# Allegro board 8880F5-0820_5.brd (continued)
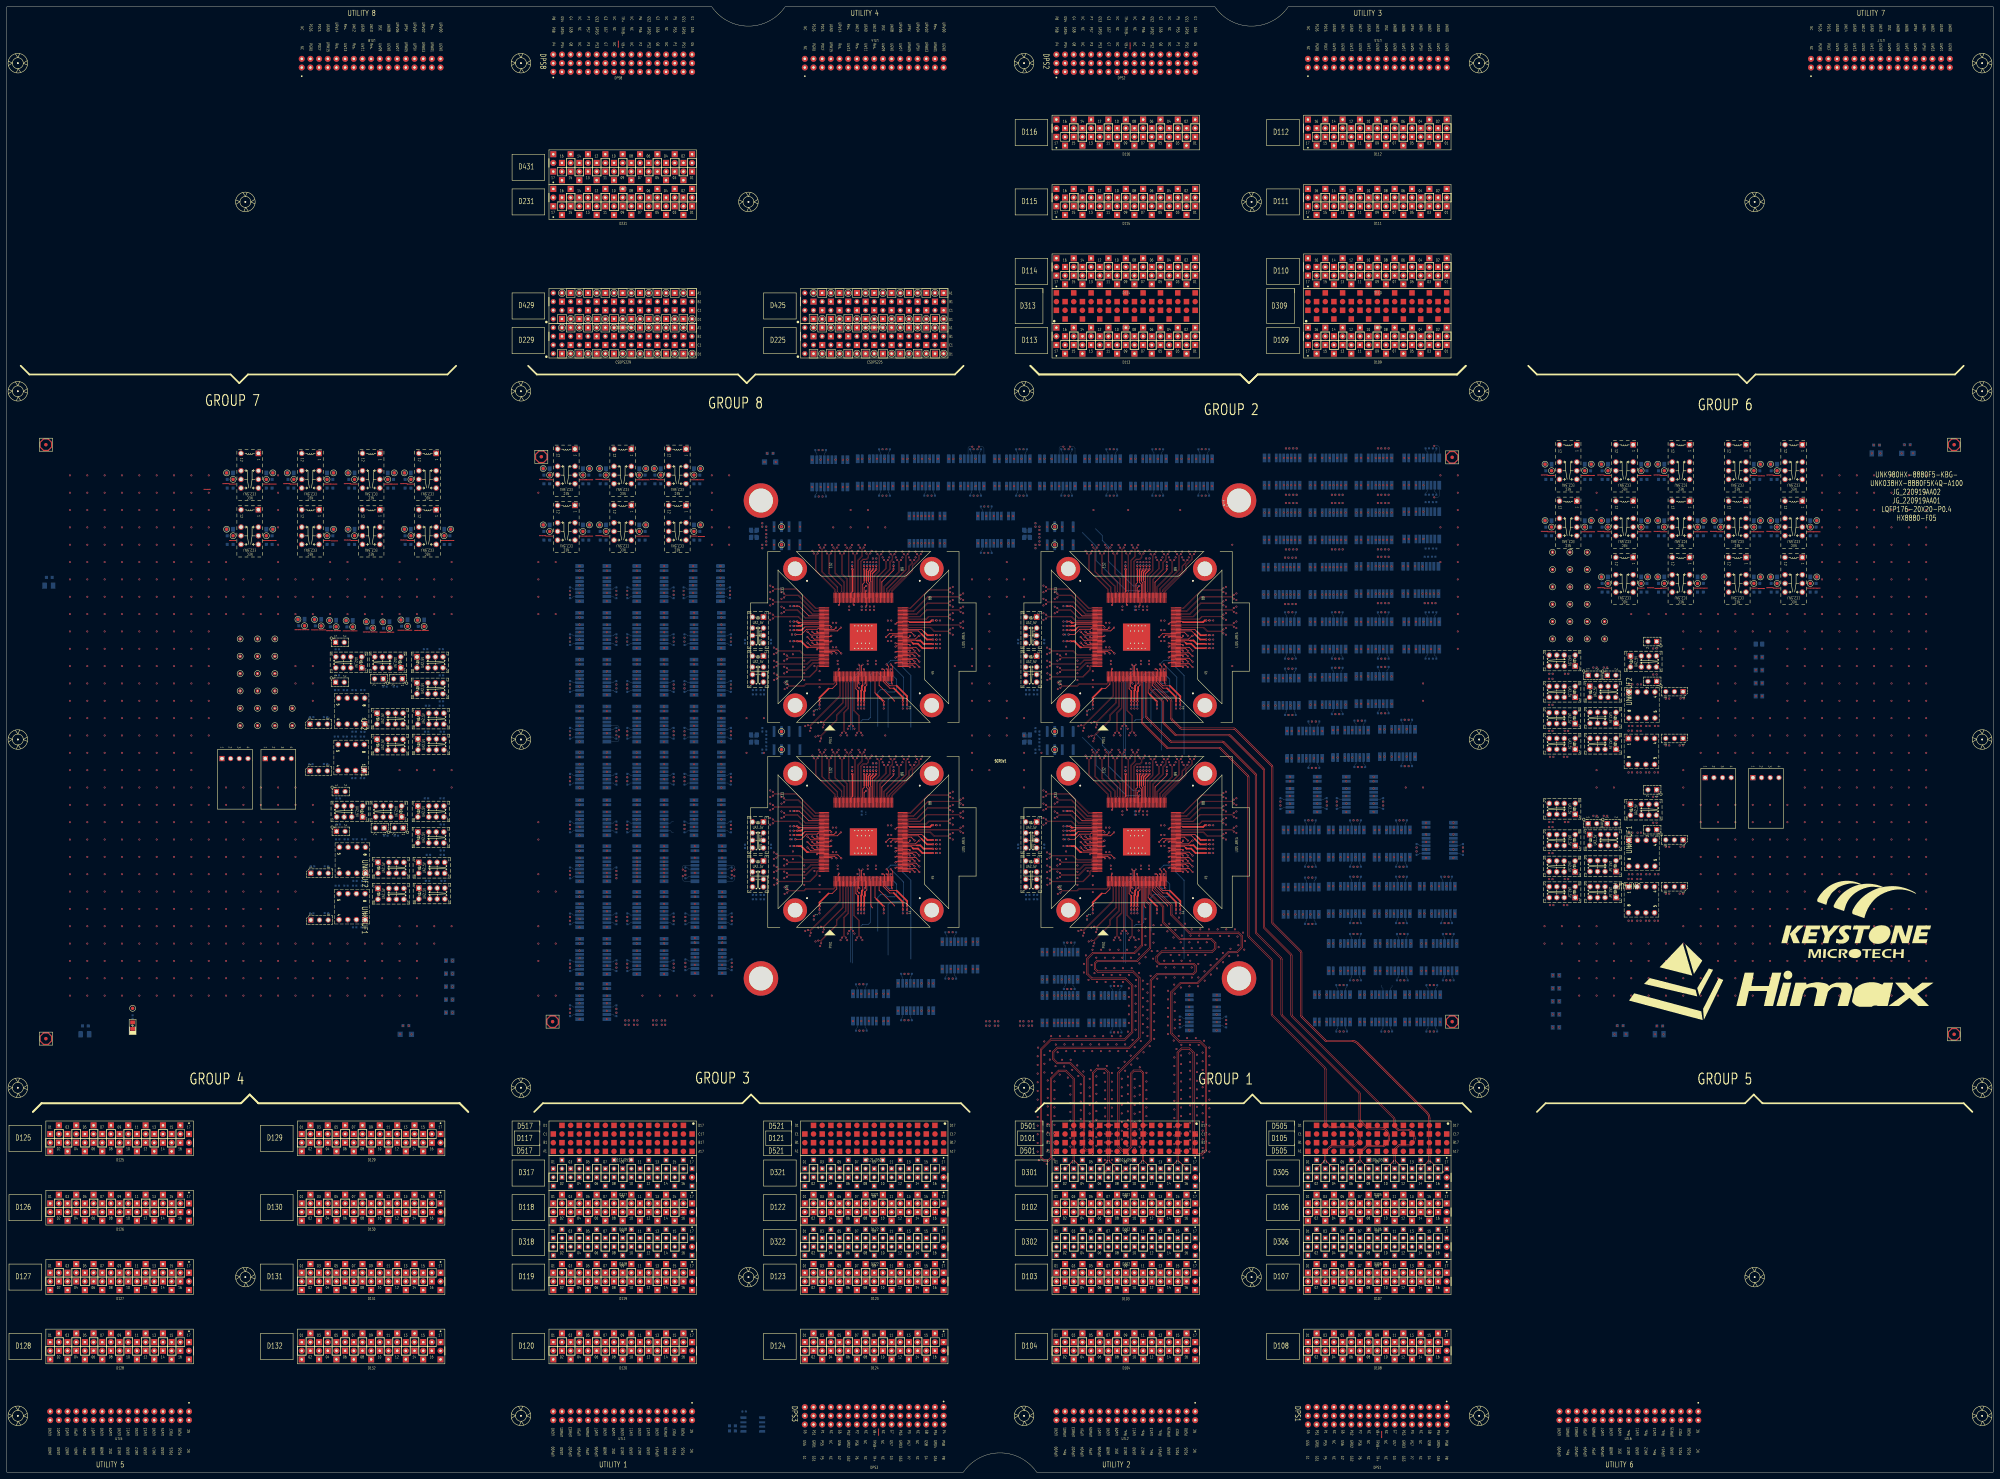
[diagram p0: board, top side]
## Placement (name value [footprint] x y rotation side) (continued)
NOREF#695  -  []  369.63 273.11 0 top
NOREF#696  -  []  127.99 214.79 0 top
NOREF#697  -  []  83.77 247.51 90 top
NOREF#698  -  []  419.9 288.57 90 top
NOREF#699  -  []  218.13 214.06 0 top
NOREF#700  -  []  168.69 290.01 90 top
NOREF#701  -  []  391.8 217.36 0 top
NOREF#702  -  []  336.77 225.04 90 top
NOREF#703  -  []  468.01 222.58 0 top
NOREF#704  -  []  199.33 226.57 0 top
NOREF#705  -  []  419.9 272.82 90 top
NOREF#706  -  []  388.66 139.89 0 top
NOREF#707  -  []  252.83 205.86 90 top
NOREF#708  -  []  237.98 223.82 90 top
NOREF#709  -  []  383.83 194.68 90 top
NOREF#710  -  []  108.01 195.15 0 top
NOREF#711  -  []  192.47 264.1 90 top
NOREF#712  -  []  471.59 130.36 90 top
NOREF#713  -  []  383.09 224.85 0 top
NOREF#714  -  []  401.89 180.15 0 top
NOREF#715  -  []  240.5 288.61 0 top
NOREF#716  -  []  230.73 189.2 0 top
NOREF#717  -  []  528.1 257.36 90 top
NOREF#718  -  []  272.55 241.37 0 top
NOREF#719  -  []  259.88 288.31 90 top
NOREF#720  -  []  473.7 219.66 90 top
NOREF#721  -  []  511.59 259.9 90 top
NOREF#722  -  []  396.03 180.15 0 top
NOREF#723  -  []  261.63 255.43 90 top
NOREF#724  -  []  248.96 164.72 0 top
NOREF#725  -  []  167.7 200.54 90 top
NOREF#726  -  []  382.82 163.39 0 top
NOREF#727  -  []  309.21 246.34 0 top
NOREF#728  -  []  388.43 146.88 0 top
NOREF#729  -  []  472.86 210.36 90 top
NOREF#730  -  []  247.25 204.35 90 top
NOREF#731  -  []  386.46 139.89 0 top
NOREF#732  -  []  262.68 223.52 90 top
NOREF#733  -  []  388.43 180.15 0 top
NOREF#734  -  []  331.94 265.86 90 top
NOREF#735  -  []  388.43 180.15 0 top
NOREF#736  -  []  333.4 205.56 0 top
NOREF#737  -  []  390.34 192.28 90 top
NOREF#738  -  []  209.49 168.6 90 top
NOREF#739  -  []  405.93 256.82 90 top
NOREF#740  -  []  253.53 140.14 0 top
NOREF#741  -  []  263.63 165.04 90 top
NOREF#742  -  []  330.51 288.86 0 top
NOREF#743  -  []  371.73 281.11 0 top
NOREF#744  -  []  418.12 289.12 0 top
NOREF#745  -  []  298.13 214.06 0 top
NOREF#746  -  []  273.09 288.31 90 top
NOREF#747  -  []  395.2 233.11 0 top
NOREF#748  -  []  182.57 144.78 90 top
NOREF#749  -  []  351.04 249.82 0 top
NOREF#750  -  []  184.47 186.57 90 top
NOREF#751  -  []  106.11 234.24 0 top
NOREF#752  -  []  124.61 178.64 0 top
NOREF#753  -  []  104.18 191.95 0 top
NOREF#754  -  []  379.01 272.66 90 top
NOREF#755  -  []  376.23 209.11 0 top
NOREF#756  -  []  343.31 224.72 0 top
NOREF#757  -  []  468.01 214.96 0 top
NOREF#758  -  []  118.99 171.65 0 top
NOREF#759  -  []  167.7 219.75 90 top
NOREF#760  -  []  200.98 256.5 90 top
NOREF#761  -  []  394 217.36 0 top
NOREF#762  -  []  401.87 194.18 90 top
NOREF#763  -  []  352.55 181.37 0 top
NOREF#764  -  []  260.99 135.19 90 top
NOREF#765  -  []  96.33 238.84 0 top
NOREF#766  -  []  456.04 179.06 0 top
NOREF#767  -  []  415.08 139.89 0 top
NOREF#768  -  []  329.16 296.86 0 top
NOREF#769  -  []  422.7 163.64 0 top
NOREF#770  -  []  320.83 254.63 0 top
NOREF#771  -  []  410.84 163.64 90 top
NOREF#772  -  []  194.09 187.32 90 top
NOREF#773  -  []  459.28 183.57 90 top
NOREF#774  -  []  247.25 265.55 0 top
NOREF#775  -  []  230.41 247.61 90 top
NOREF#776  -  []  310.43 248.88 0 top
NOREF#777  -  []  182.82 216.47 90 top
NOREF#778  -  []  472.86 166.93 90 top
NOREF#779  -  []  372.72 178.25 0 top
NOREF#780  -  []  290.64 288.86 0 top
NOREF#781  -  []  336.77 165.04 90 top
NOREF#782  -  []  456.08 230.2 0 top
NOREF#783  -  []  167.7 132.72 0 top
NOREF#784  -  []  247.89 264.35 90 top
NOREF#785  -  []  209.49 162.1 90 top
NOREF#786  -  []  302.11 240.71 0 top
NOREF#787  -  []  373.73 207.21 0 top
NOREF#788  -  []  385.61 208.66 90 top
NOREF#789  -  []  118.74 210.19 90 top
NOREF#790  -  []  309.21 188.88 0 top
NOREF#791  -  []  182.82 175.58 90 top
NOREF#792  -  []  230.43 253.37 0 top
NOREF#793  -  []  219.81 213.69 90 top
NOREF#794  -  []  408.02 271.47 0 top
NOREF#795  -  []  338.2 186.67 0 top
NOREF#796  -  []  182.82 189.04 90 top
NOREF#797  -  []  210.86 201.29 90 top
NOREF#798  -  []  249.28 223.82 90 top
NOREF#799  -  []  308.36 262.16 45 top
NOREF#800  -  []  410.27 257.37 0 top
NOREF#801  -  []  411.26 179.7 90 top
NOREF#802  -  []  330.49 163.52 90 top
NOREF#803  -  []  201.23 215.35 90 top
NOREF#804  -  []  221.56 190.49 0 top
NOREF#805  -  []  352.55 241.37 0 top
NOREF#806  -  []  304.65 271.67 0 top
NOREF#807  -  []  343.31 164.74 0 top
NOREF#808  -  []  172.08 272.6 90 top
NOREF#809  -  []  384.36 131.89 0 top
NOREF#810  -  []  310.43 188.88 90 top
NOREF#811  -  []  249.85 224.72 0 top
NOREF#812  -  []  167.7 134.07 90 top
NOREF#813  -  []  249.28 163.82 90 top
NOREF#814  -  []  119.7 238.84 0 top
NOREF#815  -  []  283.91 273.37 90 top
NOREF#816  -  []  201.66 199.99 90 top
NOREF#817  -  []  286.12 288.86 90 top
NOREF#818  -  []  194.09 173.86 90 top
NOREF#819  -  []  285.71 280.1 0 top
NOREF#820  -  []  242.23 173.13 90 top
NOREF#821  -  []  188.08 289.11 90 top
NOREF#822  -  []  117.26 190.55 90 top
NOREF#823  -  []  110.21 222.33 0 top
NOREF#824  -  []  467.51 186.77 0 top
NOREF#825  -  []  217.41 213.24 90 top
NOREF#826  -  []  413.96 182.44 90 top
NOREF#827  -  []  399.99 164.91 90 top
NOREF#828  -  []  271.34 189.5 0 top
NOREF#829  -  []  167.7 138.47 90 top
NOREF#830  -  []  127.55 184.33 90 top
NOREF#831  -  []  118.74 215.34 0 top
NOREF#832  -  []  272.55 189.5 0 top
NOREF#833  -  []  250.73 265.55 0 top
NOREF#834  -  []  177.33 173.86 90 top
NOREF#835  -  []  231.15 219.63 90 top
NOREF#836  -  []  329.85 164.72 0 top
NOREF#837  -  []  111.54 290.38 90 top
NOREF#838  -  []  185.2 276.04 90 top
NOREF#839  -  []  167.7 247.18 90 top
NOREF#840  -  []  382.47 133.16 90 top
NOREF#841  -  []  184.89 254.6 90 top
NOREF#842  -  []  115.61 219.13 90 top
NOREF#843  -  []  450.03 191.31 0 top
NOREF#844  -  []  327.25 205.55 0 top
NOREF#845  -  []  407.71 217.61 0 top
NOREF#846  -  []  392.73 188.15 0 top
NOREF#847  -  []  450.03 234.74 0 top
NOREF#848  -  []  298.13 214.06 90 top
NOREF#849  -  []  251.62 204.35 90 top
NOREF#850  -  []  215.96 248.49 0 top
NOREF#851  -  []  326.17 131.69 90 top
NOREF#852  -  []  230.43 246.34 0 top
NOREF#853  -  []  387.08 171.64 0 top
NOREF#854  -  []  250.73 265.56 90 top
NOREF#855  -  []  184.47 165.4 90 top
NOREF#856  -  []  107.02 171.57 0 top
NOREF#857  -  []  209.33 242.68 90 top
NOREF#858  -  []  209.59 174.36 90 top
NOREF#859  -  []  259.33 204.35 90 top
NOREF#860  -  []  371.73 273.11 0 top
NOREF#861  -  []  210.86 187.32 90 top
NOREF#862  -  []  299.81 213.69 90 top
NOREF#863  -  []  290.11 280.1 0 top
NOREF#864  -  []  261.42 135.74 90 top
NOREF#865  -  []  201.23 200.54 90 top
NOREF#866  -  []  420.62 239.21 90 top
NOREF#867  -  []  256.45 224.74 0 top
NOREF#868  -  []  120.24 171.1 0 top
NOREF#869  -  []  383.09 289.12 0 top
NOREF#870  -  []  348.28 296.86 0 top
NOREF#871  -  []  460.89 174.46 90 top
NOREF#872  -  []  338.2 246.67 0 top
NOREF#873  -  []  390.94 273.16 90 top
NOREF#874  -  []  175.8 147.18 90 top
NOREF#875  -  []  330.49 164.74 90 top
NOREF#876  -  []  199.33 185.42 90 top
NOREF#877  -  []  471.21 211.76 0 top
NOREF#878  -  []  209.23 230.17 90 top
NOREF#879  -  []  251.94 204.65 90 top
NOREF#880  -  []  339.33 205.55 0 top
NOREF#881  -  []  413.71 178.82 0 top
NOREF#882  -  []  219.76 297.18 0 top
NOREF#883  -  []  250.73 205.56 90 top
NOREF#884  -  []  406.65 287.22 90 top
NOREF#885  -  []  352.24 249.18 90 top
NOREF#886  -  []  343.95 224.74 90 top
NOREF#887  -  []  165.8 158.5 90 top
NOREF#888  -  []  410.52 273.37 0 top
NOREF#889  -  []  475.04 239.09 0 top
NOREF#890  -  []  201.49 173.11 0 top
NOREF#891  -  []  383.09 241.11 0 top
NOREF#892  -  []  257.9 246.35 90 top
NOREF#893  -  []  339.33 264.35 90 top
NOREF#894  -  []  184.47 247.18 90 top
NOREF#895  -  []  210.6 255.9 90 top
NOREF#896  -  []  247.25 264.35 90 top
NOREF#897  -  []  408.88 133.16 90 top
NOREF#898  -  []  106.76 222.88 0 top
NOREF#899  -  []  247.57 265.86 90 top
NOREF#900  -  []  241.82 227.13 90 top
NOREF#901  -  []  201.91 159.1 90 top
NOREF#902  -  []  167.7 165.4 90 top
NOREF#903  -  []  199.33 199.39 0 top
NOREF#904  -  []  459.24 175.86 0 top
NOREF#905  -  []  175.7 257.6 90 top
NOREF#906  -  []  209.49 155.13 90 top
NOREF#907  -  []  251.06 225.04 90 top
NOREF#908  -  []  229.21 243.09 0 top
NOREF#909  -  []  310.43 253.37 0 top
NOREF#910  -  []  256.77 223.82 90 top
NOREF#911  -  []  309.05 271.67 0 top
NOREF#912  -  []  312.46 131.69 90 top
NOREF#913  -  []  293.66 272.15 90 top
NOREF#914  -  []  100.98 195.15 0 top
NOREF#915  -  []  184.47 173.11 90 top
NOREF#916  -  []  230.43 186.34 0 top
NOREF#917  -  []  201.49 163.2 90 top
NOREF#918  -  []  378.75 240.66 90 top
NOREF#919  -  []  305.83 204.31 0 top
NOREF#920  -  []  167.7 204.09 90 top
NOREF#921  -  []  272.25 183.59 90 top
NOREF#922  -  []  262.34 143.19 0 top
NOREF#923  -  []  165.8 185.42 90 top
NOREF#924  -  []  167.7 145.93 90 top
NOREF#925  -  []  209.23 195.52 90 top
NOREF#926  -  []  351.04 182.96 0 top
NOREF#927  -  []  327.15 286.96 90 top
NOREF#928  -  []  288.74 290.13 90 top
NOREF#929  -  []  272.55 181.37 0 top
NOREF#930  -  []  108.27 171.02 0 top
NOREF#931  -  []  253.4 205.56 90 top
NOREF#932  -  []  379 288.57 90 top
NOREF#933  -  []  167.7 163.2 90 top
NOREF#934  -  []  396.55 225.11 0 top
NOREF#935  -  []  298.49 288.91 90 top
NOREF#936  -  []  275.12 271.65 90 top
NOREF#937  -  []  184.47 247.18 90 top
NOREF#938  -  []  310.43 247.61 90 top
NOREF#939  -  []  406.44 154.88 0 top
NOREF#940  -  []  419.9 240.56 90 top
NOREF#941  -  []  250.49 224.74 90 top
NOREF#942  -  []  330.51 288.86 0 top
NOREF#943  -  []  168.69 273.5 90 top
NOREF#944  -  []  168.13 172.56 90 top
NOREF#945  -  []  395.07 129.99 0 top
NOREF#946  -  []  249.13 140.14 0 top
NOREF#947  -  []  226.85 211.67 0 top
NOREF#948  -  []  230.43 248.88 0 top
NOREF#949  -  []  309.51 253.69 0 top
NOREF#950  -  []  192.47 218.65 90 top
NOREF#951  -  []  230.73 253.69 0 top
NOREF#952  -  []  317.05 288.86 0 top
NOREF#953  -  []  247.57 205.86 90 top
NOREF#954  -  []  411.52 146.43 90 top
NOREF#955  -  []  405.5 273.11 90 top
NOREF#956  -  []  230.41 188.88 90 top
NOREF#957  -  []  209.49 164.3 90 top
NOREF#958  -  []  249.85 164.74 0 top
NOREF#959  -  []  392.24 193.43 90 top
NOREF#960  -  []  273.81 286.96 90 top
NOREF#961  -  []  124.39 214.79 0 top
NOREF#962  -  []  250.73 205.55 0 top
NOREF#963  -  []  352.24 189.18 90 top
NOREF#964  -  []  254.29 205.55 0 top
NOREF#965  -  []  107.76 238.84 0 top
NOREF#966  -  []  247.57 204.65 90 top
NOREF#967  -  []  310.41 243.09 90 top
NOREF#968  -  []  184.89 213.45 90 top
NOREF#969  -  []  310.43 193.37 0 top
NOREF#970  -  []  330.73 204.35 90 top
NOREF#971  -  []  448.94 292.92 90 top
NOREF#972  -  []  167.7 242.78 90 top
NOREF#973  -  []  247.78 140.14 0 top
NOREF#974  -  []  394.66 226.38 90 top
NOREF#975  -  []  413.1 144.98 0 top
NOREF#976  -  []  166.06 230.19 90 top
NOREF#977  -  []  215.96 188.49 0 top
NOREF#978  -  []  247.25 205.55 0 top
NOREF#979  -  []  342.04 164.74 0 top
NOREF#980  -  []  184.47 214 0 top
NOREF#981  -  []  333.72 204.65 90 top
NOREF#982  -  []  115.19 128.27 0 top
NOREF#983  -  []  284.77 146.93 90 top
NOREF#984  -  []  528.1 276.41 90 top
NOREF#985  -  []  251.05 205.86 90 top
NOREF#986  -  []  314.33 168.13 90 top
NOREF#987  -  []  166.06 257.62 90 top
NOREF#988  -  []  167.7 132.72 90 top
NOREF#989  -  []  385.19 289.12 0 top
NOREF#990  -  []  473.6 162.62 90 top
NOREF#991  -  []  209.49 177.76 90 top
NOREF#992  -  []  471.21 211.76 90 top
NOREF#993  -  []  398.65 273.11 0 top
NOREF#994  -  []  392.24 193.43 0 top
NOREF#995  -  []  275.3 155.38 0 top
NOREF#996  -  []  463.61 179.15 0 top
NOREF#997  -  []  416.03 179.42 90 top
NOREF#998  -  []  388.43 146.88 0 top
NOREF#999  -  []  251.94 264.65 90 top
NOREF#1000  -  []  306.71 131.64 0 top
NOREF#1001  -  []  459.28 236.14 90 top
NOREF#1002  -  []  103.93 235.64 90 top
NOREF#1003  -  []  228.36 202.16 45 top
NOREF#1004  -  []  224.65 211.67 0 top
NOREF#1005  -  []  230.41 193.37 90 top
NOREF#1006  -  []  375.22 180.15 0 top
NOREF#1007  -  []  342.04 224.72 0 top
NOREF#1008  -  []  405.42 131.94 90 top
NOREF#1009  -  []  420.62 271.47 90 top
NOREF#1010  -  []  396.03 163.64 0 top
NOREF#1011  -  []  367.73 274.38 90 top
NOREF#1012  -  []  184.47 200.54 0 top
NOREF#1013  -  []  327.25 205.56 90 top
NOREF#1014  -  []  116.01 214.71 0 top
NOREF#1015  -  []  352.24 184.86 90 top
NOREF#1016  -  []  235.85 288.61 90 top
NOREF#1017  -  []  485.36 257.36 90 top
NOREF#1018  -  []  165.8 199.39 0 top
NOREF#1019  -  []  475.04 239.09 0 top
NOREF#1020  -  []  272.55 242.64 0 top
NOREF#1021  -  []  250.17 165.04 90 top
NOREF#1022  -  []  200.98 260.9 90 top
NOREF#1023  -  []  461.96 217.98 0 top
NOREF#1024  -  []  201.91 172.56 90 top
NOREF#1025  -  []  273.09 288.41 90 top
NOREF#1026  -  []  192.47 222.95 90 top
NOREF#1027  -  []  264.72 272.65 90 top
NOREF#1028  -  []  306.27 156.63 90 top
NOREF#1029  -  []  105.58 234.24 90 top
NOREF#1030  -  []  415.1 163.64 0 top
NOREF#1031  -  []  409.99 146.93 90 top
NOREF#1032  -  []  253.4 205.55 0 top
NOREF#1033  -  []  310.43 188.88 0 top
NOREF#1034  -  []  351.04 189.18 0 top
NOREF#1035  -  []  346.27 129.42 90 top
NOREF#1036  -  []  263.95 164.74 90 top
NOREF#1037  -  []  412.88 131.89 0 top
NOREF#1038  -  []  272.55 245.18 0 top
NOREF#1039  -  []  124.1 238.84 0 top
NOREF#1040  -  []  310.73 247.93 0 top
NOREF#1041  -  []  201.21 273.5 90 top
NOREF#1042  -  []  127.55 191.95 90 top
NOREF#1043  -  []  168.13 240.88 90 top
NOREF#1044  -  []  287.91 280.1 0 top
NOREF#1045  -  []  399.39 161.74 0 top
NOREF#1046  -  []  397.57 131.89 0 top
NOREF#1047  -  []  390.69 289.12 0 top
NOREF#1048  -  []  201.66 186.02 90 top
NOREF#1049  -  []  184.47 192.32 90 top
NOREF#1050  -  []  390.94 257.16 90 top
NOREF#1051  -  []  201.23 214 0 top
NOREF#1052  -  []  371.48 265.11 0 top
NOREF#1053  -  []  277.17 288.86 0 top
NOREF#1054  -  []  184.47 204.09 90 top
NOREF#1055  -  []  194.09 160.4 90 top
NOREF#1056  -  []  319.33 236.03 90 top
NOREF#1057  -  []  293.31 272.1 0 top
NOREF#1058  -  []  230.43 183.09 0 top
NOREF#1059  -  []  284.36 272.1 90 top
NOREF#1060  -  []  239.33 176.03 0 top
NOREF#1061  -  []  415.61 185.72 90 top
NOREF#1062  -  []  230.43 246.34 90 top
NOREF#1063  -  []  118.45 234.24 90 top
NOREF#1064  -  []  260.83 234.63 90 top
NOREF#1065  -  []  381.2 290.39 90 top
NOREF#1066  -  []  184.47 244.98 90 top
NOREF#1067  -  []  302.71 132.91 90 top
NOREF#1068  -  []  175.7 148.38 90 top
NOREF#1069  -  []  286.81 272.1 0 top
NOREF#1070  -  []  339.33 265.56 0 top
NOREF#1071  -  []  306.83 269.63 90 top
NOREF#1072  -  []  101.82 273.87 90 top
NOREF#1073  -  []  292.74 288.86 0 top
NOREF#1074  -  []  257.9 186.99 0 top
NOREF#1075  -  []  118.99 166.5 90 top
NOREF#1076  -  []  304.61 144.34 0 top
NOREF#1077  -  []  383.09 224.85 0 top
NOREF#1078  -  []  201.49 178.86 90 top
NOREF#1079  -  []  406.19 188.15 0 top
NOREF#1080  -  []  392.47 256.56 90 top
NOREF#1081  -  []  331.94 205.86 90 top
NOREF#1082  -  []  167.7 187.92 90 top
NOREF#1083  -  []  309.21 243.09 0 top
NOREF#1084  -  []  410.52 241.11 0 top
NOREF#1085  -  []  351.34 243.91 0 top
NOREF#1086  -  []  199.59 216.47 90 top
NOREF#1087  -  []  115.36 235.64 90 top
NOREF#1088  -  []  463.61 214.96 0 top
NOREF#1089  -  []  230.41 243.09 90 top
NOREF#1090  -  []  177.33 187.32 90 top
NOREF#1091  -  []  373.93 281.11 0 top
NOREF#1092  -  []  449.99 174.46 0 top
NOREF#1093  -  []  312.25 271.67 90 top
NOREF#1094  -  []  343.63 225.04 90 top
NOREF#1095  -  []  248.96 164.74 0 top
NOREF#1096  -  []  251.94 205.86 90 top
NOREF#1097  -  []  273.5 148.65 90 top
NOREF#1098  -  []  460.93 166.93 90 top
NOREF#1099  -  []  366.88 222.7 0 top
NOREF#1100  -  []  184.47 231.27 90 top
NOREF#1101  -  []  289.29 296.86 0 top
NOREF#1102  -  []  384.17 180.15 90 top
NOREF#1103  -  []  304.61 131.64 0 top
NOREF#1104  -  []  306.71 152.34 0 top
NOREF#1105  -  []  122.19 214.79 0 top
NOREF#1106  -  []  482.64 192.46 90 top
NOREF#1107  -  []  96.33 238.84 0 top
NOREF#1108  -  []  167.7 260.9 90 top
NOREF#1109  -  []  250.18 242.88 0 top
NOREF#1110  -  []  300.01 288.41 90 top
NOREF#1111  -  []  511.59 273.87 90 top
NOREF#1112  -  []  372.72 161.49 0 top
NOREF#1113  -  []  326.43 288.31 90 top
NOREF#1114  -  []  383.83 209.11 0 top
NOREF#1115  -  []  175.7 218.65 90 top
NOREF#1116  -  []  313.22 288.31 90 top
NOREF#1117  -  []  230.43 187.61 90 top
NOREF#1118  -  []  304.61 144.34 0 top
NOREF#1119  -  []  246.23 173.13 0 top
NOREF#1120  -  []  182.57 185.42 90 top
NOREF#1121  -  []  106.76 222.88 0 top
NOREF#1122  -  []  230.83 224.63 0 top
NOREF#1123  -  []  272.25 181.05 90 top
NOREF#1124  -  []  461.96 174.55 0 top
NOREF#1125  -  []  229.51 246.66 0 top
NOREF#1126  -  []  167.7 227.72 90 top
NOREF#1127  -  []  354.27 138.37 90 top
NOREF#1128  -  []  401.89 163.64 0 top
NOREF#1129  -  []  112.67 178.64 0 top
NOREF#1130  -  []  246.63 142.04 0 top
NOREF#1131  -  []  247.25 265.55 0 top
NOREF#1132  -  []  333.4 264.35 90 top
NOREF#1133  -  []  250.49 164.74 90 top
NOREF#1134  -  []  249.28 225.04 90 top
NOREF#1135  -  []  259.97 264.35 90 top
NOREF#1136  -  []  318.32 131.64 0 top
NOREF#1137  -  []  379.48 222.7 90 top
NOREF#1138  -  []  230.43 194.01 0 top
NOREF#1139  -  []  322.62 139.64 0 top
NOREF#1140  -  []  175.7 264.1 90 top
NOREF#1141  -  []  459.24 219.3 0 top
NOREF#1142  -  []  462.06 274.77 90 top
NOREF#1143  -  []  326.23 233.13 0 top
NOREF#1144  -  []  332.83 265.86 90 top
NOREF#1145  -  []  373.87 188.15 0 top
NOREF#1146  -  []  310.83 164.63 0 top
NOREF#1147  -  []  254.29 205.56 0 top
NOREF#1148  -  []  331.22 193.63 0 top
NOREF#1149  -  []  413.51 207.71 90 top
NOREF#1150  -  []  326.43 288.41 90 top
NOREF#1151  -  []  106.36 190.55 0 top
NOREF#1152  -  []  327.25 264.35 90 top
NOREF#1153  -  []  343.98 288.86 0 top
NOREF#1154  -  []  237.66 164.74 0 top
NOREF#1155  -  []  412.37 265.37 0 top
NOREF#1156  -  []  240.94 151.63 90 top
NOREF#1157  -  []  229.51 186.66 0 top
NOREF#1158  -  []  351.34 185.18 0 top
NOREF#1159  -  []  22.16 130.26 90 top
NOREF#1160  -  []  398.65 241.11 0 top
NOREF#1161  -  []  330.73 205.55 0 top
NOREF#1162  -  []  259.33 205.56 90 top
NOREF#1163  -  []  373.68 249.11 0 top
NOREF#1164  -  []  309.21 193.37 0 top
NOREF#1165  -  []  112.41 222.33 0 top
NOREF#1166  -  []  331.22 253.63 0 top
NOREF#1167  -  []  327.25 265.55 0 top
NOREF#1168  -  []  226.83 209.63 90 top
NOREF#1169  -  []  201.23 233.47 90 top
NOREF#1170  -  []  317.98 225.04 90 top
NOREF#1171  -  []  253.72 204.65 90 top
NOREF#1172  -  []  383.09 241.11 0 top
NOREF#1173  -  []  381.74 265.11 0 top
NOREF#1174  -  []  459.28 236.14 0 top
NOREF#1175  -  []  298.16 248.49 0 top
NOREF#1176  -  []  250.74 164.72 0 top
NOREF#1177  -  []  279.27 288.86 0 top
NOREF#1178  -  []  271.34 182.64 0 top
NOREF#1179  -  []  403.99 180.15 0 top
NOREF#1180  -  []  199.59 158.5 90 top
NOREF#1181  -  []  477.24 195.66 0 top
NOREF#1182  -  []  252.6 288.86 0 top
NOREF#1183  -  []  343.95 164.74 90 top
NOREF#1184  -  []  232.25 211.67 90 top
NOREF#1185  -  []  247.25 205.55 0 top
NOREF#1186  -  []  286.55 288.31 90 top
NOREF#1187  -  []  463.11 186.77 0 top
NOREF#1188  -  []  155.57 289.11 90 top
NOREF#1189  -  []  339.33 205.56 0 top
NOREF#1190  -  []  230.83 164.63 0 top
NOREF#1191  -  []  182.82 243.9 90 top
NOREF#1192  -  []  369.38 241.11 0 top
NOREF#1193  -  []  398.65 257.37 0 top
NOREF#1194  -  []  201.49 176.66 90 top
NOREF#1195  -  []  352.25 245.5 0 top
NOREF#1196  -  []  394.05 223.21 0 top
NOREF#1197  -  []  210.86 228.47 90 top
NOREF#1198  -  []  327.57 264.65 90 top
NOREF#1199  -  []  184.47 178.86 90 top
NOREF#1200  -  []  210.86 242.18 90 top
NOREF#1201  -  []  201.49 178.86 90 top
NOREF#1202  -  []  237.57 209.63 90 top
NOREF#1203  -  []  309.21 247.61 0 top
NOREF#1204  -  []  318.32 131.64 0 top
NOREF#1205  -  []  253.4 264.35 90 top
NOREF#1206  -  []  381.74 281.11 0 top
NOREF#1207  -  []  295.96 248.49 0 top
NOREF#1208  -  []  339.33 265.55 0 top
NOREF#1209  -  []  375.73 194.78 90 top
NOREF#1210  -  []  465.81 214.96 0 top
NOREF#1211  -  []  400.24 202.38 90 top
NOREF#1212  -  []  387.39 232.85 0 top
NOREF#1213  -  []  272.24 249.18 90 top
NOREF#1214  -  []  297.71 276.09 0 top
NOREF#1215  -  []  259.65 264.65 90 top
NOREF#1216  -  []  120.21 178.64 0 top
NOREF#1217  -  []  184.47 206.29 90 top
NOREF#1218  -  []  216.96 180.71 0 top
NOREF#1219  -  []  184.47 145.93 0 top
NOREF#1220  -  []  107.02 166.42 90 top
NOREF#1221  -  []  112.67 171.02 0 top
NOREF#1222  -  []  239.33 236.03 0 top
NOREF#1223  -  []  396.03 146.88 0 top
NOREF#1224  -  []  392.04 289.12 90 top
NOREF#1225  -  []  329.28 225.04 90 top
NOREF#1226  -  []  272.24 249.18 90 top
NOREF#1227  -  []  300.36 188.49 0 top
NOREF#1228  -  []  394.66 258.64 90 top
NOREF#1229  -  []  405.93 240.66 90 top
NOREF#1230  -  []  249.15 296.86 0 top
NOREF#1231  -  []  209.59 160.9 90 top
NOREF#1232  -  []  479.44 195.66 0 top
NOREF#1233  -  []  184.47 147.28 90 top
NOREF#1234  -  []  376.15 192.88 90 top
NOREF#1235  -  []  472.86 174.55 90 top
NOREF#1236  -  []  271.34 185.18 0 top
NOREF#1237  -  []  462.06 291.28 90 top
NOREF#1238  -  []  310.43 194.01 0 top
NOREF#1239  -  []  399.67 131.89 0 top
NOREF#1240  -  []  352.25 182.32 90 top
NOREF#1241  -  []  229.21 183.09 0 top
NOREF#1242  -  []  415.61 179.97 90 top
NOREF#1243  -  []  263.85 273.37 90 top
NOREF#1244  -  []  230.43 247.61 0 top
NOREF#1245  -  []  299.59 288.86 90 top
NOREF#1246  -  []  230.43 193.37 90 top
NOREF#1247  -  []  240.83 254.63 0 top
NOREF#1248  -  []  192.57 147.18 90 top
NOREF#1249  -  []  387.08 188.15 0 top
NOREF#1250  -  []  334.29 205.55 0 top
NOREF#1251  -  []  352.24 182.32 90 top
NOREF#1252  -  []  471.11 186.77 0 top
NOREF#1253  -  []  511.59 291.28 90 top
NOREF#1254  -  []  453.88 195.91 0 top
NOREF#1255  -  []  351.34 249.5 0 top
NOREF#1256  -  []  168.69 276.04 90 top
NOREF#1257  -  []  397.8 179.6 90 top
NOREF#1258  -  []  411.26 163.19 90 top
NOREF#1259  -  []  419.47 289.12 90 top
NOREF#1260  -  []  317.57 269.63 90 top
NOREF#1261  -  []  412.88 139.89 0 top
NOREF#1262  -  []  272.24 189.18 90 top
NOREF#1263  -  []  301.56 182.89 0 top
NOREF#1264  -  []  395.67 133.16 90 top
NOREF#1265  -  []  417.7 154.88 0 top
NOREF#1266  -  []  107.76 238.84 0 top
NOREF#1267  -  []  310.41 248.88 90 top
NOREF#1268  -  []  463.11 186.77 0 top
NOREF#1269  -  []  254.29 265.56 0 top
NOREF#1270  -  []  351.34 182.64 0 top
NOREF#1271  -  []  413.71 178.82 90 top
NOREF#1272  -  []  352.55 243.91 0 top
NOREF#1273  -  []  166.06 175.58 90 top
NOREF#1274  -  []  405.93 256.92 90 top
NOREF#1275  -  []  383.09 289.12 0 top
NOREF#1276  -  []  251.86 192.43 90 top
NOREF#1277  -  []  167.7 260.9 90 top
NOREF#1278  -  []  184.47 255.15 90 top
NOREF#1279  -  []  192.47 162.1 90 top
NOREF#1280  -  []  460.89 217.9 90 top
NOREF#1281  -  []  451.68 239.34 0 top
NOREF#1282  -  []  272.25 181.69 0 top
NOREF#1283  -  []  272.55 243.91 0 top
NOREF#1284  -  []  327.25 205.56 0 top
NOREF#1285  -  []  216.96 192.14 0 top
NOREF#1286  -  []  121.9 238.84 0 top
NOREF#1287  -  []  460.93 234.74 90 top
NOREF#1288  -  []  384.36 131.89 0 top
NOREF#1289  -  []  328.96 224.72 0 top
NOREF#1290  -  []  339.65 265.86 90 top
NOREF#1291  -  []  249.85 224.74 0 top
NOREF#1292  -  []  230.73 186.66 0 top
NOREF#1293  -  []  113.08 129.54 0 top
NOREF#1294  -  []  230.41 248.88 90 top
NOREF#1295  -  []  373.93 297.12 0 top
NOREF#1296  -  []  254.61 204.65 90 top
NOREF#1297  -  []  272.25 244.23 0 top
NOREF#1298  -  []  473.79 191.06 90 top
NOREF#1299  -  []  410.27 257.37 0 top
NOREF#1300  -  []  251.54 192.73 90 top
NOREF#1301  -  []  271.82 134.74 90 top
NOREF#1302  -  []  184.47 233.47 90 top
NOREF#1303  -  []  383.73 198.08 90 top
NOREF#1304  -  []  310.73 189.2 0 top
NOREF#1305  -  []  272.55 183.91 0 top
NOREF#1306  -  []  184.89 145.38 90 top
NOREF#1307  -  []  236.27 289.16 90 top
NOREF#1308  -  []  104.18 191.95 90 top
NOREF#1309  -  []  392.24 199.18 90 top
NOREF#1310  -  []  471.21 219.38 90 top
NOREF#1311  -  []  279.27 296.86 0 top
NOREF#1312  -  []  259.84 133.29 90 top
NOREF#1313  -  []  399.07 208.81 90 top
NOREF#1314  -  []  465.81 179.15 0 top
NOREF#1315  -  []  411.52 146.33 90 top
NOREF#1316  -  []  314.71 142.44 90 top
NOREF#1317  -  []  118.45 231.77 0 top
NOREF#1318  -  []  259.65 204.65 90 top
NOREF#1319  -  []  408.37 258.64 90 top
NOREF#1320  -  []  116.27 178.64 0 top
NOREF#1321  -  []  221.56 239.06 0 top
NOREF#1322  -  []  167.7 214 90 top
NOREF#1323  -  []  330.49 223.52 90 top
NOREF#1324  -  []  253.4 204.35 90 top
NOREF#1325  -  []  175.7 236.67 90 top
NOREF#1326  -  []  453.88 239.34 0 top
NOREF#1327  -  []  263.83 231.63 90 top
NOREF#1328  -  []  182.57 199.39 0 top
NOREF#1329  -  []  257.09 223.52 90 top
NOREF#1330  -  []  175.8 215.25 90 top
NOREF#1331  -  []  209.23 209.49 90 top
NOREF#1332  -  []  318.45 257.01 0 top
NOREF#1333  -  []  253.53 140.14 0 top
NOREF#1334  -  []  405.5 289.12 90 top
NOREF#1335  -  []  228.36 262.16 45 top